# Altium PCB TCM.PcbDoc (part 4 of 10)
Units mm, origin at the board's own origin, x right, y up, seen from the top; angles counter-clockwise.
Board outline 280.25 x 366.95 mm, 6 copper layers (Top, L2, L3, L4, L5, Bot), stack 1.536 mm thick; 503 components, 762 nets, 3201 pads, 1645 vias.
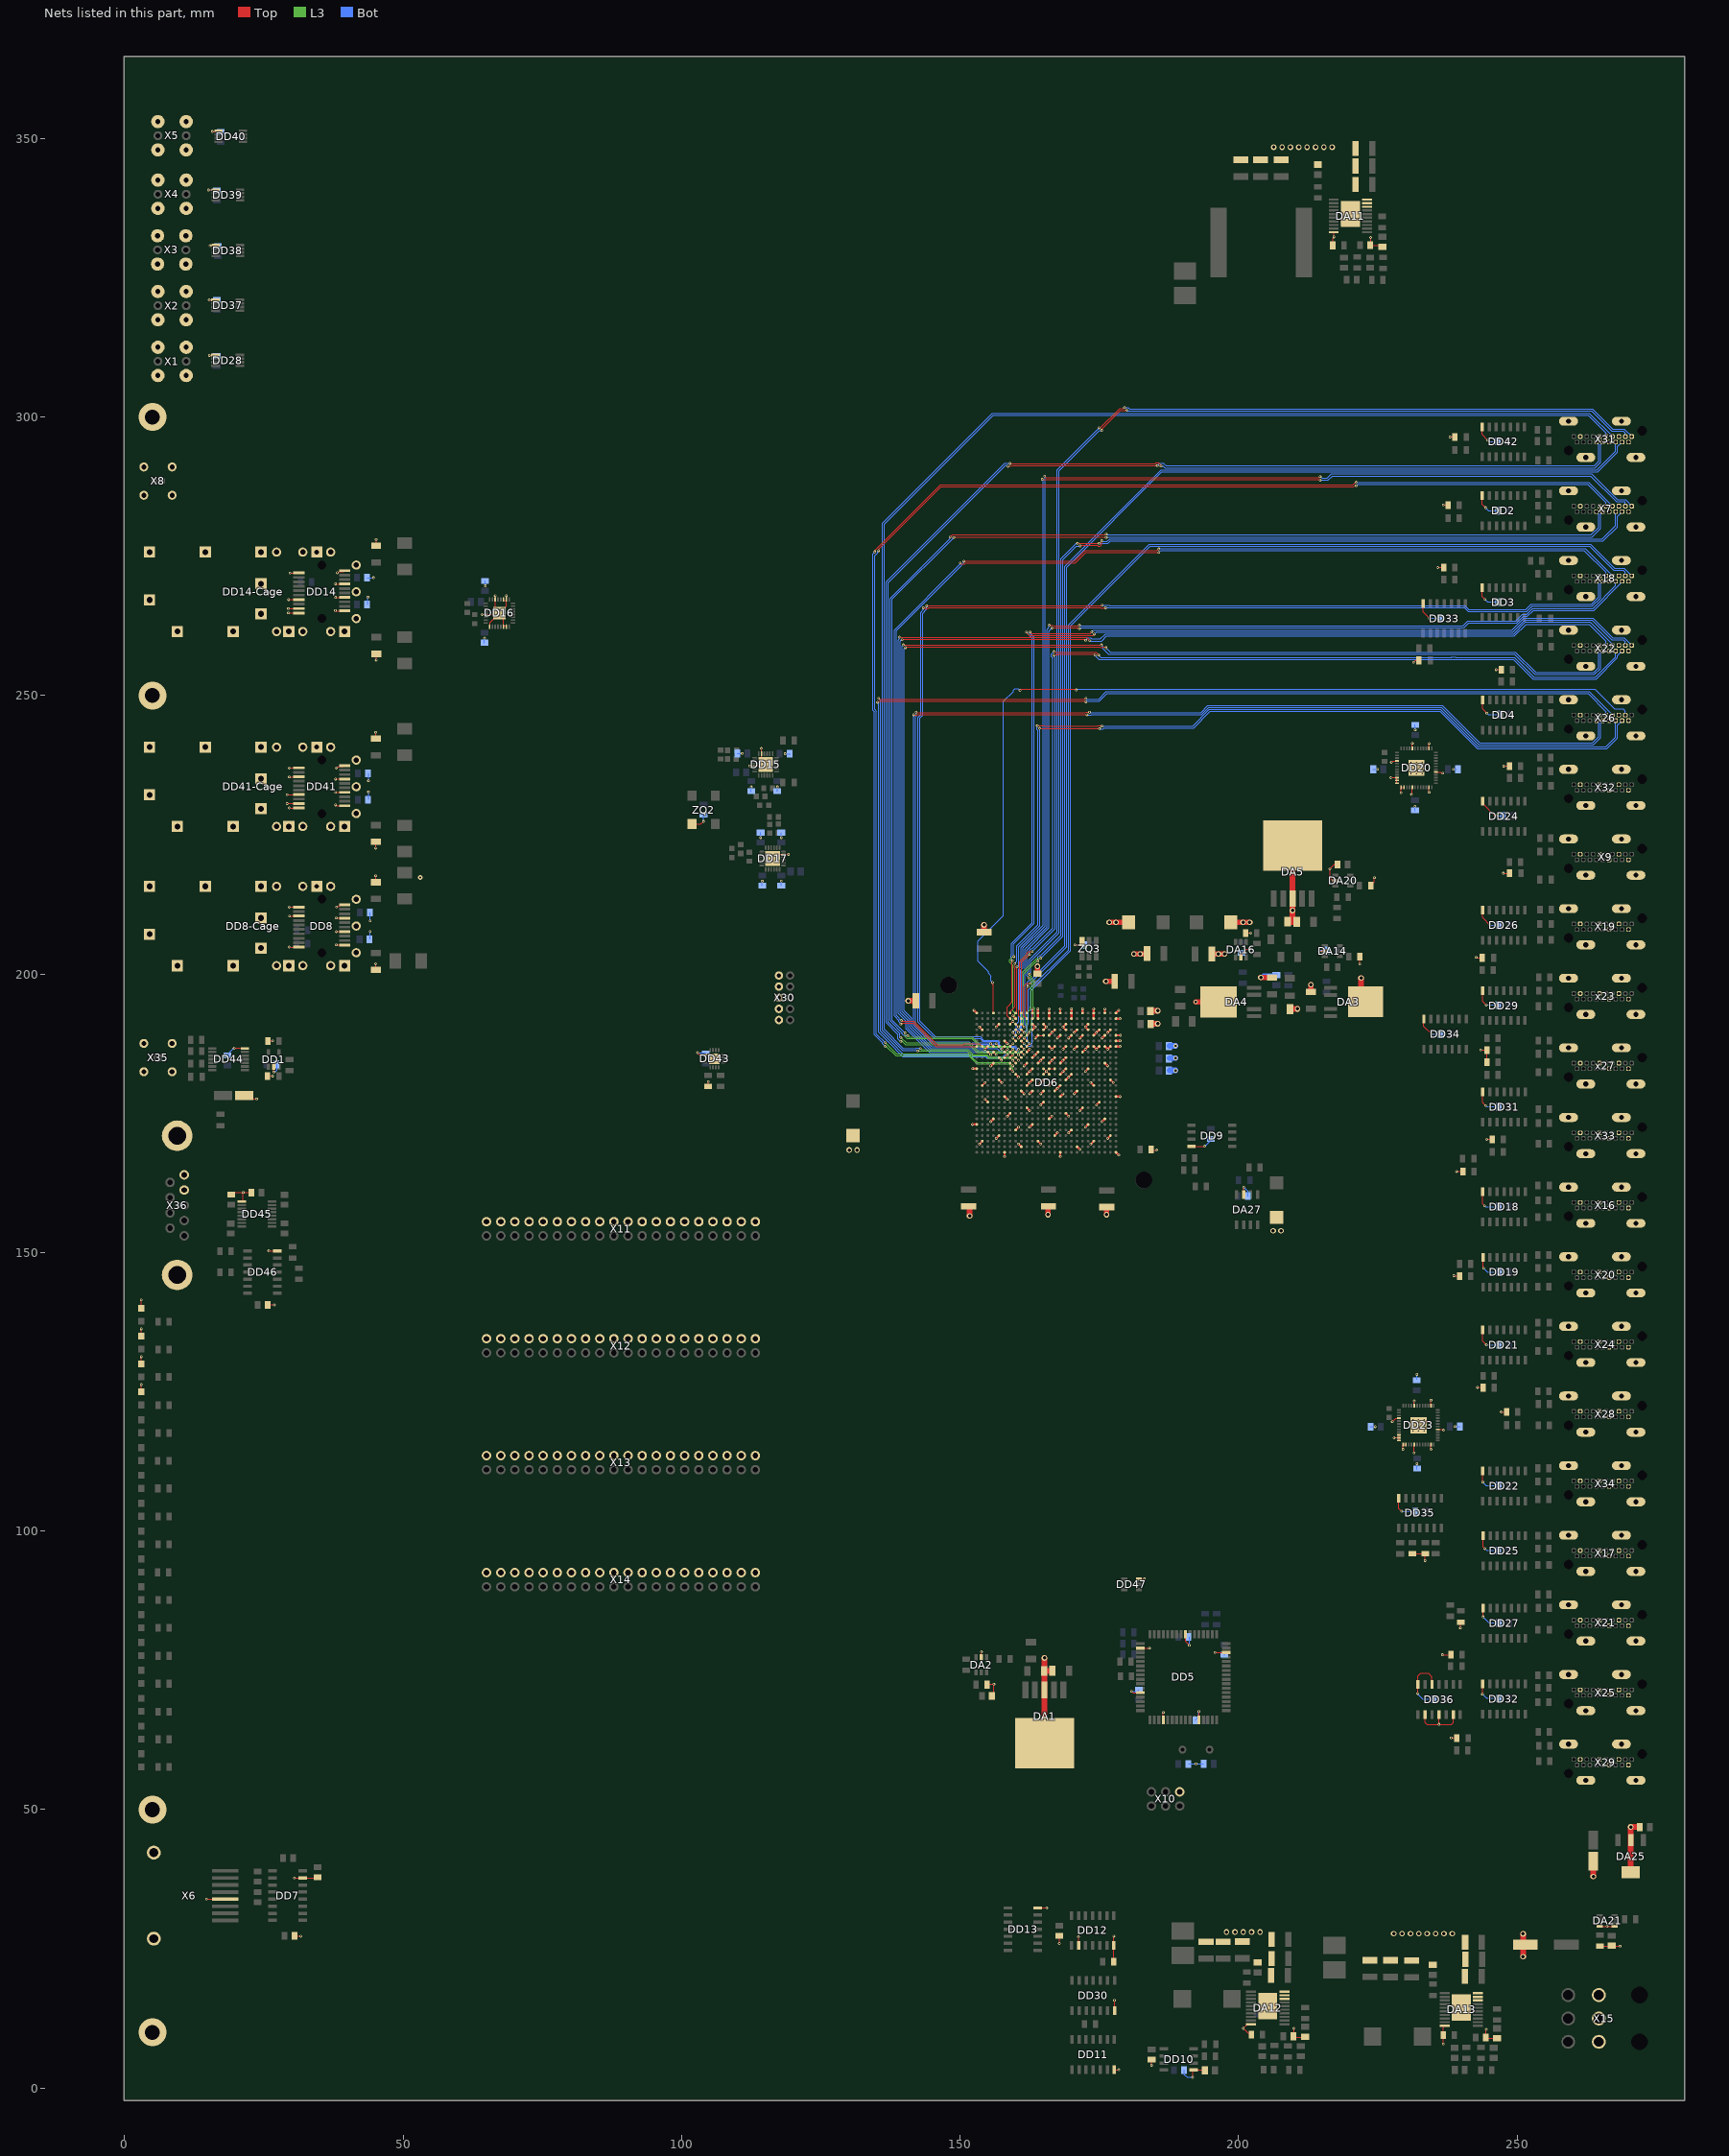
[diagram p8: the nets of this part, all layers, seen from the top]

## Via types
v1: diameter 0.48, hole 0.25, Top to Bot, tented both sides, 1515 vias
v2: diameter 1, hole 0.6, Top to Bot, tented both sides, 117 vias
v3: diameter 0.8, hole 0.4, Top to Bot, tented both sides, 8 vias
v4: diameter 5, hole 2.7, Top to Bot, tented both sides, 4 vias
v5: diameter 0.48/0/0/0/0/0.48 (per signal layer), hole 0.25, Top to Bot, tented both sides, 1 vias

## Nets (pads, with @x,y where several pads share a name; then routed paths per layer and width w, separated by ;. In a path a pad name is that pad's centre, name@x,y a point inside that pad or via, vN(x,y) a via of type N, cw(c..) or ccw(c..) an arc to the next point about the centre after c; other vN are vias at no path point) (continued)
GND: C3.1 C4.1 C5.1 C6.1 C11.1 C12.1 C13.1 C14.1 C15.1 C17.1 C18.1 C19.1 C20.1 C21.1 C22.1 C23.1 C26.1 C27.1 C28.1 C29.1 C30.1 C31.1 C32.1 C33.1 C34.1 C35.1 C36.1 C37.1 C38.1 C39.2 C40.1 C41.2 C42.2 C43.2 C44.1 C45.1 C46.1 C47.1 C50.1 C53.1 C54.1 C55.1 C58.1 C59.1 C60.1 C63.1 C65.1 C67.1 C71.1 C72.1 C73.1 C76.1 C77.1 C78.1 C80.1 C81.1 C83.1 C84.1 C85.1 C86.1 C91.1 C95.1 C97.1 C98.1 C99.1 C100.1 C101.1 C102.1 C103.1 C108.2 C112.2 C147.1 C152.1 C157.1 C158.1 C159.1 C160.1 C161.1 C162.1 C163.1 C165.1 C168.1 C169.1 C170.1 C171.1 C172.1 C173.1 C174.1 C175.1 C177.1 C180.1 C181.1 C182.1 C183.1 C184.1 C185.1 C186.1 C187.1 C189.1 C192.2 C193.1 C194.1 C195.1 C196.1 C197.1 C198.1 C199.1 C200.1 C201.1 C215.1 C216.1 C217.1 C218.1 C219.1 C220.1 C221.1 C222.1 C223.1 C224.1 C225.1 C226.1 C227.1 C228.1 C230.1 C231.1 C232.1 C238.1 C240.1 C241.1 C253.1 C254.2 C255.1 C256.1 C257.1 C258.1 C259.1 C261.1 C262.1 DA1.3 DA1.6 DA2.2 DA3.6 DA4.6 DA5.3 DA5.6 DA11.8 DA11.9 DA11.10 DA11.20 DA11.21 DA12.8 DA12.9 DA12.10 DA12.20 DA12.21 DA13.8 DA13.9 DA13.10 DA13.20 DA13.21 DA14.2 DA16.2 DA20.2 DA21.4 DA21.5 DA25.2 DA25.4 DA27.7 DD1.2 DD2.7 DD3.7 DD4.7 DD5.14 DD5.24 DD5.34 DD5.44 DD5.52 DD5.60 DD6.A1 DD6.A2 DD6.A5 DD6.A6 DD6.A7 DD6.A16 DD6.A26 DD6.AA6 DD6.AA16 DD6.AA26 DD6.AB3 DD6.AB13 DD6.AB23 DD6.AC10 DD6.AC20 DD6.AD7 DD6.AD17 DD6.AE4 DD6.AE14 DD6.AE24 DD6.AF1 DD6.AF11 DD6.AF21 DD6.B4 DD6.B7 DD6.B13 DD6.B23 DD6.C1 DD6.C5 DD6.C7 DD6.C10 DD6.C20 DD6.D4 DD6.D7 DD6.D17 DD6.E1 DD6.E2 DD6.E5 DD6.E7 DD6.E14 DD6.E24 DD6.F3 DD6.F4 DD6.F7 DD6.F11 DD6.F21 DD6.G1 DD6.G5 DD6.G8 DD6.G18 DD6.H4 DD6.H7 DD6.H15 DD6.H25 DD6.J1 DD6.J2 DD6.J5 DD6.J12 DD6.J22 DD6.K3 DD6.K4 DD6.K7 DD6.K9 DD6.K11 DD6.K13 DD6.K19 DD6.L1 DD6.L5 DD6.L10 DD6.L12 DD6.L14 DD6.L16 DD6.L26 DD6.M4 DD6.M7 DD6.M9 DD6.M11 DD6.M13 DD6.M15 DD6.M23 DD6.N1 DD6.N2 DD6.N5 DD6.N7 DD6.N10 DD6.N11 DD6.N12 DD6.N14 DD6.N20 DD6.P3 DD6.P4 DD6.P5 DD6.P9 DD6.P11 DD6.P12 DD6.P13 DD6.P15 DD6.P17 DD6.R1 DD6.R2 DD6.R5 DD6.R8 DD6.R10 DD6.R14 DD6.R24 DD6.T1 DD6.T2 DD6.T3 DD6.T4 DD6.T9 DD6.T11 DD6.T13 DD6.T15 DD6.T21 DD6.U8 DD6.U10 DD6.U12 DD6.U14 DD6.U18 DD6.V5 DD6.V15 DD6.V25 DD6.W2 DD6.W12 DD6.W22 DD6.Y9 DD6.Y19 DD7.15 DD8-Cage.1 DD8-Cage.2 DD8-Cage.3 DD8-Cage.4 DD8-Cage.5 DD8-Cage.6 DD8-Cage.7 DD8-Cage.8 DD8-Cage.9 DD8-Cage.10 DD8-Cage.11 DD8-Cage.12 DD8-Cage.13 DD8-Cage.14 DD8-Cage.15 DD8-Cage.16 DD8-Cage.17 DD8-Cage.18 DD8-Cage.19 DD8-Cage.20 DD8.1 DD8.3 DD8.10 DD8.11 DD8.14 DD8.17 DD8.20 DD9.4 DD10.1 DD11.7 DD12.2 DD12.7 DD13.7 DD14-Cage.1 DD14-Cage.2 DD14-Cage.3 DD14-Cage.4 DD14-Cage.5 DD14-Cage.6 DD14-Cage.7 DD14-Cage.8 DD14-Cage.9 DD14-Cage.10 DD14-Cage.11 DD14-Cage.12 DD14-Cage.13 DD14-Cage.14 DD14-Cage.15 DD14-Cage.16 DD14-Cage.17 DD14-Cage.18 DD14-Cage.19 DD14-Cage.20 DD14.1 DD14.7 DD14.9 DD14.10 DD14.11 DD14.14 DD14.17 DD14.20 DD15.4 DD15.23 DD15.25 DD16.2 DD16.3 DD16.6 DD16.13 DD16.17 DD16.22 DD16.23 DD16.33 DD17.23 DD17.25 DD18.7 DD19.7 DD20.4 DD20.10 DD20.11 DD20.12 DD20.13 DD20.14 DD20.17 DD20.23 DD20.29 DD20.38 DD20.44 DD20.49 DD21.7 DD22.7 DD23.4 DD23.10 DD23.11 DD23.12 DD23.13 DD23.14 DD23.17 DD23.23 DD23.29 DD23.38 DD23.44 DD23.49 DD24.7 DD25.7 DD26.7 DD27.7 DD28.5 DD29.7 DD30.7 DD31.7 DD32.7 DD33.7 DD34.7 DD35.7 DD36.5 DD36.7 DD36.9 DD36.11 DD36.13 DD37.5 DD38.5 DD39.5 DD40.5 DD41-Cage.1 DD41-Cage.2 DD41-Cage.3 DD41-Cage.4 DD41-Cage.5 DD41-Cage.6 DD41-Cage.7 DD41-Cage.8 DD41-Cage.9 DD41-Cage.10 DD41-Cage.11 DD41-Cage.12 DD41-Cage.13 DD41-Cage.14 DD41-Cage.15 DD41-Cage.16 DD41-Cage.17 DD41-Cage.18 DD41-Cage.19 DD41-Cage.20 DD41.1 DD41.3 DD41.7 DD41.9 DD41.10 DD41.11 DD41.14 DD41.17 DD41.20 DD42.7 DD43.9 DD43.17 DD44.7 DD45.9 DD46.7 DD47.3 R5.1 R6.1 R20.2 R32.1 R83.1 R91.1 R99.1 R102.1 R105.1 R108.1 R111.1 R128.1 R131.1 R136.1 R140.1 R150.1 R155.1 R157.1 R159.1 R164.1 R166.1 R168.1 R170.1 R173.1 R175.1 R177.1 R179.1 R181.1 R183.1 R185.1 R187.1 R189.1 R191.1 VD4.1 VD6.1 VD10.1 VD11.1 X1.3 X2.3 X3.3 X4.3 X5.3 X6.5 X6.SHIELD X7.2 X7.5 X7.8 X7.11 X7.17 X7.SHIELD X8.3 X9.2 X9.5 X9.8 X9.11 X9.17 X9.SHIELD X10.6 X11.2 X11.4 X11.6 X11.8 X11.10 X11.12 X11.14 X11.16 X11.18 X11.20 X11.22 X11.24 X11.26 X11.28 X11.30 X11.32 X11.34 X11.36 X11.38 X11.40 X12.2 X12.4 X12.6 X12.8 X12.10 X12.12 X12.14 X12.16 X12.18 X12.20 X12.22 X12.24 X12.26 X12.28 X12.30 X12.32 X12.34 X12.36 X12.38 X12.40 X13.2 X13.4 X13.6 X13.8 X13.10 X13.12 X13.14 X13.16 X13.18 X13.20 X13.22 X13.24 X13.26 X13.28 X13.30 X13.32 X13.34 X13.36 X13.38 X13.40 X14.2 X14.4 X14.6 X14.8 X14.10 X14.12 X14.14 X14.16 X14.18 X14.20 X14.22 X14.24 X14.26 X14.28 X14.30 X14.32 X14.34 X14.36 X14.38 X14.40 X15.1 X15.2 X15.3 X16.2 X16.5 X16.8 X16.11 X16.17 X16.SHIELD X17.2 X17.5 X17.8 X17.11 X17.17 X17.SHIELD X18.2 X18.5 X18.8 X18.11 X18.17 X18.SHIELD X19.2 X19.5 X19.8 X19.11 X19.17 X19.SHIELD X20.2 X20.5 X20.8 X20.11 X20.17 X20.SHIELD X21.2 X21.5 X21.8 X21.11 X21.17 X21.SHIELD X22.2 X22.5 X22.8 X22.11 X22.17 X22.SHIELD x23.2 x23.5 x23.8 x23.11 x23.17 x23.SHIELD X24.2 X24.5 X24.8 X24.11 X24.17 X24.SHIELD X25.2 X25.5 X25.8 X25.11 X25.17 X25.SHIELD X26.2 X26.5 X26.8 X26.11 X26.17 X26.SHIELD x27.2 x27.5 x27.8 x27.11 x27.17 x27.SHIELD X28.2 X28.5 X28.8 X28.11 X28.17 X28.SHIELD X29.2 X29.5 X29.8 X29.11 X29.17 X29.SHIELD X30.1 X30.3 X30.5 X30.7 X30.9 X31.2 X31.5 X31.8 X31.11 X31.17 X31.SHIELD X32.2 X32.5 X32.8 X32.11 X32.17 X32.SHIELD X33.2 X33.5 X33.8 X33.11 X33.17 X33.SHIELD X34.2 X34.5 X34.8 X34.11 X34.17 X34.SHIELD X35.2 X36.4 X36.5 X36.10 X36.11 ZQ2.2 ZQ3.3 | length 591.1
  Top w0.15: VD10.1@3,125 VD10.1@3,125.006 v1(3,126.3) ; VD11.1@3,130 v1(3,131.3) ; VD4.1@3,135 v1(3,136.3) ; VD6.1@3,140 v1(3,141.5) ; v1(14.706,33.91) X6.5@17.7,33.91 ; v1(15.054,340.767) 15.067,340.78 DD39.5@16.55,340.78 ; v1(15.193,321.018) 15.209,321.002 DD37.5@16.541,321.002 ; v1(15.244,311.058) 16.488,311.058 DD28.5@16.5,311.07 ; v1(15.361,330.761) DD38.5@16.545,330.761 ; v1(15.761,351.267) 15.767,351.261 DD40.5@17.081,351.261 ; C26.1@19.1,160.505 19.395,160.8 v1(21.3,160.8) ; v1(19.7,186.7) 21.35,186.7 DD44.7@21.4,186.65 ; DD45.9@21.3,159.14 v1(21.3,160.8) ; C43.2@21.5,178.225 22.125,177.6 v1(23.7,177.6) ; C27.1@22.7,160.8 v1(21.3,160.8) ; R6.1@25.7,181.7 v1(26.6,181.7) ; R5.1@25.7,188 v1(26.6,188) ; C28.1@25.8,140.6 v1(26.9,140.6) ; v1(25.9,150.31) DD46.7@27.5,150.31 ; DD1.2@26.75,183.7 26.8,183.65 v1(26.8,182.4) ; v1(29.2,230.6) 29.22,230.62 DD41.9@31.3,230.62 ; v1(29.2,232.2) 29.22,232.22 DD41.7@31.3,232.22 ; v1(29.427,265.624) 29.431,265.62 DD14.9@31.3,265.62 ; v1(29.431,264.83) 29.441,264.82 DD14.10@31.3,264.82 ; v1(29.44,267.225) 29.445,267.22 DD14.7@31.3,267.22 ; v1(29.6,229.83) 29.61,229.82 DD41.10@31.3,229.82 ; v1(29.6,235.4) 29.62,235.42 DD41.3@31.3,235.42 ; v1(29.6,237) 29.62,237.02 DD41.1@31.3,237.02 ; v1(29.7,272) 29.72,272.02 DD14.1@31.3,272.02 ; v1(30.489,37.725) DD7.15@32.027,37.725 ; C54.1@30.668,27.263 30.67,27.265 v1(31.645,27.265) ; DD7.15@32.026,37.726 DD7.15@32.027,37.725 ; C261.1@34.904,37.963 C261.1@34.659,37.718 ; v1(37.853,265.257) 37.89,265.22 DD14.11@39.5,265.22 ; v1(37.879,267.62) DD14.14@39.5,267.62 ; v1(37.879,270.07) 37.929,270.02 DD14.17@39.5,270.02 ; v1(37.9,230.35) 37.989,230.35 38.119,230.22 DD41.11@39.5,230.22 ; v1(37.9,232.62) DD41.14@39.5,232.62 ; v1(37.9,235) 37.92,235.02 DD41.17@39.5,235.02 ; v1(38.006,236.999) 38.062,236.999 38.288,237.225 38.487,237.225 38.507,237.245 39.325,237.245 DD41.20@39.5,237.42 ; v1(38.194,272.048) 38.257,272.111 38.441,272.111 38.575,272.245 39.325,272.245 DD14.20@39.5,272.42 ; v1(45.1,222.6) C60.1@45.1,223.7 ; C58.1@45.1,242.3 v1(45.1,243.4) ; v1(45.174,278.03) 45.174,277.126 45.285,277.015 C4.1@45.4,276.9 ; v1(45.19,256.37) 45.197,256.377 C46.1@45.197,257.492 ; v1(64.183,264.548) 65.008,264.548 65.01,264.55 DD16.33@67.05,264.55 ; DD16.17@65.55,262.51 65.585,262.545 65.585,263.085 DD16.33@67.05,264.55 ; v1(66.546,267.922) 66.55,267.918 DD16.6@66.55,267.25 66.55,265.55 DD16.33@67.3,264.8 ; DD16.3@68.05,267.09 DD16.2@68.55,267.09 ; DD16.23@68.55,262.51 68.05,262.51 68.05,264.05 DD16.33@67.3,264.8 ; v1(68.55,267.922) DD16.2@68.55,267.09 ; ZQ2.2@101.9,226.92 103.473,226.92 v1(103.953,227.4) ; R32.1@104.8,179.8 v1(104.8,180.7) ; v1(112.207,237.35) 114.857,237.35 DD15.25@115.107,237.6 114.357,238.35 v1(114.357,240.5) ; DD17.25@116.357,220.727 117.107,221.477 v1(119.2,221.477) ; DA2.2@153.85,77.113 v1(153.85,78.3) ; R140.1@154.9,72.5 v1(156.1,72.5) 156.1,70.65 C15.1@155.85,70.4 ; DD6.T2@163,192 DD6.T1@163,193 ; DD6.R5@164,189 DD6.P5@165,189 ; DD13.7@164.026,32.336 165.547,32.336 v1(165.557,32.326) ; DD6.P12@165,182 v1(165.5,182.5) ; DD6.P11@165,183 v1(165.5,182.5) ; DD6.N12@166,182 v1(165.5,182.5) ; DD6.M11@167,183 DD6.N11@166,183 v1(165.5,182.5) ; C253.1@167.829,27.262 167.832,27.259 v1(167.832,25.958) ; v1(171.264,27.152) 171.271,27.145 DD12.2@171.271,25.585 ; v1(177.621,27.262) 177.621,22.702 R150.1@177.625,22.698 ; DD11.7@177.706,3.3 v1(178.5,3.3) ; v1(177.723,15.744) 177.734,15.734 DD30.7@177.734,13.87 ; v1(180.793,71.236) 181.047,70.982 DD5.44@182.586,70.982 ; DD47.3@181.9,91.4 v1(183.1,91.4) ; DD5.34@182.586,78.982 v1(183.994,78.982) ; R20.2@184.3,168.5 184.4,168.4 v1(185.3,168.4) ; v1(184.4,4.1) C195.1@184.4,5.1 ; DD5.52@186.486,66.282 186.486,67.409 v1(186.499,67.421) ; DD5.24@190.486,81.282 190.486,80.179 v1(191.165,79.5) ; v1(192.883,67.599) 192.886,67.595 DD5.60@192.886,66.282 ; v1(195.771,78.197) 195.771,78.182 DD5.14@197.586,78.182 ; DA16.2@200.408,203.28 200.408,203.377 201.531,204.5 v1(202,204.5) ; R105.1@201.3,207.357 v1(202.2,207.357) ; v1(214.5,204.1) 214.507,204.107 DA14.2@215.708,204.107 ; DA20.2@217.622,216.786 216.914,216.786 216.4,217.3 v1(216.4,218.9) 217.219,219.719 C13.1@217.7,219.719 ; R102.1@221.758,203.157 221.783,203.133 221.787,203.129 v1(221.787,201.8) ; R108.1@223.722,215.879 224.4,216.557 v1(224.4,217.3) ; v1(227.358,235.251) 227.361,235.254 DD20.10@228.451,235.254 ; v1(227.446,238.017) 227.683,238.254 DD20.4@228.453,238.254 ; v1(227.605,119.613) 227.594,119.624 228.222,120.253 DD23.4@228.805,120.253 ; v1(227.919,116.75) 227.922,116.753 DD23.11@228.805,116.753 ; DD20.12@228.453,234.254 228.453,234.774 228.453,235.252 DD20.10@228.451,235.254 ; DD20.10@228.453,235.254 DD20.10@228.451,235.254 ; DD35.7@228.78,105.973 228.78,104.075 v1(229.298,103.557) ; DD23.12@228.805,116.253 DD23.11@228.805,116.753 ; DD23.10@228.805,117.253 DD23.11@228.805,116.753 ; v1(229.203,232.551) 229.203,233.504 DD20.14@229.703,233.504 ; v1(229.539,114.652) 229.555,114.668 229.555,115.503 DD23.14@230.055,115.503 ; v1(231.045,232.233) 231.203,232.39 DD20.17@231.203,233.504 ; R183.1@231.2,95.9 233.5,95.9 v1(233.5,94.7) ; v1(231.201,241.404) 231.203,241.402 DD20.44@231.203,240.504 ; v1(231.435,255.958) 231.435,256.036 231.741,256.343 R155.1@232.392,256.343 ; v1(231.509,114.035) 231.509,115.457 DD23.17@231.555,115.503 ; DD23.44@231.555,122.503 231.555,123.363 v1(231.557,123.365) ; v1(232.17,70.853) 232.17,73.977 232.697,74.504 234.063,74.504 234.74,73.827 DD36.5@234.74,72.552 ; DD33.7@233.137,266.605 233.137,264.979 v1(234.259,263.857) ; DD34.7@233.279,191.998 233.279,190.594 v1(234.659,189.214) ; DD36.9@233.47,67.052 233.47,65.646 233.806,65.31 v1(236.01,65.31) 238.214,65.31 238.55,65.647 DD36.13@238.55,67.052 ; v1(234.203,232.639) DD20.23@234.203,233.504 ; DD20.38@234.203,240.504 v1(234.203,241.391) ; DD23.23@234.555,115.503 234.555,114.659 v1(234.562,114.652) ; DD23.38@234.555,122.503 234.555,123.494 v1(234.562,123.501) ; DD20.29@235.453,236.254 236.27,236.254 236.442,236.082 v1(236.666,236.082) ; v1(235.77,272.982) R136.1@236.836,272.982 ; DD23.29@235.805,118.253 236.773,118.253 236.831,118.195 v1(236.831,118.108) ; v1(236.01,65.31) DD36.11@236.01,67.052 ; v1(236.6,77.8) R189.1@238.1,77.8 ; v1(236.756,284.208) 236.777,284.187 R131.1@237.622,284.187 ; v1(237.972,296.407) R128.1@238.865,296.407 ; v1(238.186,62.851) 238.201,62.836 R191.1@239.195,62.836 ; v1(238.676,145.848) 238.705,145.819 R177.1@239.704,145.819 ; v1(239.112,164.553) R175.1@240.248,164.553 ; v1(239.836,82.597) R187.1@239.836,83.65 ; v1(242.649,202.992) 242.694,202.947 R166.1@243.763,202.947 ; v1(242.893,125.793) R179.1@243.918,125.793 ; v1(243.491,186.373) 244.59,186.373 244.584,186.367 R170.1@244.584,184.225 ; DD3.7@243.73,269.471 243.73,267.783 v1(244.263,267.251) ; DD42.7@243.732,298.297 243.732,296.841 244.725,295.849 v1(244.728,295.849) ; DD4.7@243.739,249.262 DD4.7@243.739,249.294 ; DD2.7@243.749,285.969 243.749,284.325 v1(244.341,283.733) ; v1(243.798,70.718) 243.798,72.545 243.814,72.561 DD32.7@243.844,72.592 ; DD26.7@243.806,211.528 243.806,210.135 v1(245.134,208.807) ; DD24.7@243.814,231.102 243.814,230.64 246.024,228.431 v1(246.337,228.431) ; DD29.7@243.817,197.076 243.817,195.093 244.46,194.449 v1(244.474,194.449) ; DD4.7@243.822,249.262 243.822,247.612 v1(244.581,246.853) ; DD21.7@243.851,136.196 243.851,134.057 v1(244.484,133.424) ; DD31.7@243.855,178.9 243.855,176.908 v1(244.364,176.398) ; v1(243.864,108.778) DD22.7@243.864,110.851 ; DD18.7@243.868,160.938 243.868,158.696 v1(244.168,158.396) ; DD19.7@243.88,149.233 243.88,147.335 v1(244.015,147.2) ; DD27.7@243.896,86.2 243.896,84.614 v1(243.905,84.605) ; DD25.7@243.896,99.213 243.896,97.174 v1(244.207,96.863) ; v1(244.548,170.322) 244.563,170.337 R173.1@245.538,170.337 ; v1(246.23,254.655) R157.1@247.152,254.655 ; v1(247.167,121.381) 247.185,121.364 R181.1@248.14,121.364 ; v1(247.543,218.092) 247.56,218.109 R164.1@248.691,218.109 ; v1(247.632,237.327) R159.1@248.612,237.327 ; DD7.15@32.027,37.725 34.652,37.725 C261.1@34.659,37.718 ; DD7.15@32.027,37.725 32.034,37.718 C261.1@34.659,37.718 ; DD16.33@67.05,264.55 DD16.33@67.3,264.8 ; DD16.33@67.3,264.8 68.55,266.05 DD16.2@68.55,267.09
  Top w0.2: v1(29.6,204.85) 29.63,204.82 DD8.10@31.3,204.82 ; v1(29.6,212.02) DD8.1@31.3,212.02 ; v1(29.63,210.42) DD8.3@31.3,210.42 ; v1(38,205.25) 38.03,205.22 DD8.11@39.5,205.22 ; v1(38,207.62) DD8.14@39.5,207.62 ; v1(38,210.05) 38.03,210.02 DD8.17@39.5,210.02 ; v1(38.075,212.025) 38.151,212.025 38.256,212.13 38.46,212.13 38.75,212.42 DD8.20@39.5,212.42 ; C76.1@45.1,200.75 v1(45.1,201.85) ; C72.1@45.1,216.52 v1(45.1,217.64) ; v1(170.63,205.25) 171.524,205.25 171.899,205.625 ZQ3.3@171.899,205.816 ; v1(191.774,1.929) 191.774,3.219 193.864,3.219 C12.1@193.874,3.229 ; DD9.4@192,169.09 v1(193.9,169.09) ; DA27.7@200.9,160.191 200.935,160.227 v1(200.935,161.744) ; R91.1@202.273,9.614 201.953,9.614 v1(200.853,10.714) 201.603,11.464 DA12.20@202.273,11.464 ; v1(209.953,10.714) 209.953,9.314 210.153,9.114 C175.1@211.953,9.114 ; R83.1@216.919,330.833 216.919,332.133 v1(217.119,332.333) DA11.20@217.119,333.183 ; v1(223.719,332.233) 223.719,330.833 225.419,330.833 225.744,330.508 C163.1@225.819,330.433 ; v1(236.774,7.927) 236.774,9.527 236.774,10.917 DA13.20@237.034,11.177 ; v1(244.474,10.527) 244.474,9.127 244.674,8.927 246.274,8.927 C187.1@246.419,8.783 ; R111.1@264.9,25.5 v1(268.5,25.5) ; DA21.4@264.95,29.05 v1(266.175,29.05) DA21.5@267.4,29.05
  Top w0.25: v1(102.9,185.9) 103.25,185.55 DD43.9@104.35,185.55 105.15,185.55 DD43.17@105.9,184.8
  Top w0.4: v1(152.25,173) DD6.AF21@153,173 ; v1(152.3,183) DD6.AF11@153,183 ; v1(152.5,193.5) DD6.AF1@153,193 ; v1(153.5,169.5) DD6.AE24@154,170 ; v1(153.5,190.5) DD6.AE4@154,190 ; DD6.AE14@154,180 v1(154.5,180.5) ; v1(154.5,177.5) DD6.AD17@155,177 ; v1(154.5,186.5) DD6.AD7@155,187 ; v1(155.5,173.5) DD6.AC20@156,174 ; v1(155.5,183.5) DD6.AC10@156,184 ; v1(156.5,170.5) DD6.AB23@157,171 ; v1(156.5,190.5) DD6.AB3@157,191 ; DD6.AB13@157,181 v1(157.5,180.5) ; v1(158,167.25) DD6.AA26@158,168 ; DD6.AA16@158,178 v1(158.5,177.5) ; DD6.AA6@158,188 v1(158.5,187.5) ; v1(158.5,174.5) DD6.Y19@159,175 ; DD6.Y9@159,185 v1@159.525,185.525 ; v1(159.5,192.5) DD6.W2@160,192 ; DD6.W22@160,172 v1@160.5,172.5 ; DD6.W12@160.019,182 160.019,181.982 v1(160.5,181.5) ; v1(160.494,169.5) DD6.V25@161,169 ; v1(160.5,188.5) DD6.V5@161,189 ; DD6.V15@161,179 v1(161.5,178.5) ; v1(161.5,183.5) DD6.U10@162,184 ; DD6.U18@162,176 v1(162.5,175.5) ; DD6.U14@162,180 v1(162.5,180.5) DD6.T13@163,181 ; DD6.U12@162,182 v1(162.5,182.5) DD6.T11@163,183 ; DD6.U8@162,186 v1(162.5,186.5) ; v1(162.5,172.5) DD6.T21@163,173 ; v1(162.5,178.5) DD6.T15@163,179 ; DD6.T9@163,185 v1(163.5,185.5) DD6.R8@164,186 ; DD6.T4@163,190 v1(163.5,190.5) ; DD6.T3@163,191 v1(163.5,190.5) ; DD6.T1@163,193 v1(163,193.75) ; v1(163.5,188.5) DD6.R5@164,189 ; DD6.R24@164,170 v1(164.5,169.5) ; DD6.R14@164,180 v1(164.5,180.5) DD6.P13@165,181 ; DD6.R10@164,184 v1(164.5,184.5) DD6.P9@165,185 ; DD6.R2@164,192 DD6.R1@164,193 v1(164,193.75) ; v1(164.5,176.5) DD6.P17@165,177 ; v1(164.5,178.5) DD6.P15@165,179 ; DD6.P4@165,190 v1(165.5,190.5) DD6.P3@165,191 ; DD6.N20@166,174 v1(166.5,174.5) ; DD6.N14@166,180 v1(166.5,180.5) DD6.M13@167,181 ; DD6.N10@166,184 v1(166.5,184.5) DD6.M9@167,185 ; DD6.N7@166,187 v1(166.5,186.5) DD6.M7@167,187 ; DD6.N5@166,189 v1(166.5,189.5) DD6.M4@167,190 ; DD6.N2@166,192 DD6.N1@166,193 v1(166,193.75) ; DD6.M23@167,171 v1(167.5,171.5) ; DD6.M15@167,179 v1(167.5,179.5) DD6.L14@168,180 ; v1(167.5,188.5) DD6.L5@168,189 ; v1(168,167.25) DD6.L26@168,168 ; DD6.L16@168,178 v1(168.5,178.5) ; DD6.L12@168,182 v1(168.5,182.5) DD6.K11@169,183 ; DD6.L10@168,184 v1(168.5,184.5) DD6.K9@169,185 ; DD6.L1@168,193 v1(168,193.75) ; v1(168.5,186.5) DD6.K7@169,187 ; DD6.K19@169,175 v1(169.5,174.5) ; DD6.K13@169,181 v1(169.5,181.5) DD6.J12@170,182 ; DD6.K4@169,190 v1(168.5,190.5) DD6.K3@169,191 ; v1(169.5,171.5) DD6.J22@170,172 ; v1(169.5,188.5) DD6.J5@170,189 ; DD6.J2@170,192 v1(170,193.75) ; v1(170.5,178.5) DD6.H15@171,179 ; v1(170.5,186.5) DD6.H7@171,187 ; v1(170.5,189.5) DD6.H4@171,190 ; DD6.H25@171,169 v1(171.5,168.5) ; v1(171.5,175.5) DD6.G18@172,176 ; v1(171.5,188.5) DD6.G5@172,189 ; DD6.G8@172,186 v1(172.5,186.5) DD6.F7@173,187 ; DD6.G1@172,193 v1(172,193.75) ; v1(172.5,172.5) DD6.F21@173,173 ; v1(172.5,182.5) DD6.F11@173,183 ; DD6.F4@173,190 v1(172.5,190.5) DD6.F3@173,191 ; v1(173.5,169.5) DD6.E24@174,170 ; v1(173.5,180.5) DD6.E14@174,180 ; DD6.E7@174,187 v1(174.5,186.5) DD6.D7@175,187 ; DD6.E5@174,189 v1(174.5,189.5) DD6.D4@175,190 ; DD6.E2@174,192 DD6.E1@174,193 v1(174,193.75) ; v1@174.5,176.5 DD6.D17@175,177 ; v1(175.5,173.5) DD6.C20@176,174 ; v1(175.5,188.5) DD6.C5@176,189 ; DD6.C10@176,184 v1(176.5,183.5) ; DD6.C7@176,187 v1(176.5,186.5) DD6.B7@177,187 ; DD6.C1@176,193 v1(176,193.75) ; v1(176.5,170.5) DD6.B23@177,171 ; v1(176.5,189.5) DD6.B4@177,190 ; DD6.B13@177,181 v1(177.5,180.5) ; DD6.A26@178,168 v1(178.5,167.5) ; DD6.A16@178,178 v1(178.75,178) ; DD6.A7@178,187 v1(178.75,187) ; DD6.A6@178,188 v1(178.75,188) ; DD6.A5@178,189 v1(178.8,189) ; DD6.A2@178,192 v1(178.75,192) ; DD6.A1@178,193 v1(178.5,193.5)
  Top w1: v2(140.7,195.2) C103.1@141.9,195.2 ; v2(151.717,156.576) C102.1@151.717,158.076 ; C3.1@154.319,207.55 v2(154.319,208.815) ; C86.1@163.9,200.2 v2(163.9,201.4) ; DA1.6@164.813,61.355 165.159,61.702 165.159,71.479 C6.1@165.159,74.9 ; v2(165.159,77.224) C6.1@165.159,74.9 ; v2(165.8,156.8) C147.1@165.8,158.1 ; C5.1@166.649,74.9 C6.1@165.159,74.9 ; v2(176.2,198.7) C23.1@177.7,198.7 ; v2(176.3,156.8) C197.1@176.3,158.1 ; v2(176.8,209.3) v2(178,209.3) C108.2@180.16,209.3 ; v2(181.2,203.6) v2(182.353,203.6) C100.1@183.6,203.6 ; C78.1@184.3,191.072 v2(185.492,191.072) ; C84.1@184.3,193.4 v2(185.5,193.4) ; v3(192.311,195) DA4.6@196.5,195 ; C101.1@195.2,203.6 v2(196.4,203.6) v2(197.5,203.6) ; C112.2@198.64,209.3 v2(200.818,209.3) v2(202,209.3) ; v2(204.02,199.37) C81.1@206,199.37 ; C91.1@208.885,209.311 C85.1@210.485,209.311 ; C83.1@209.3,193.75 v2(210.6,193.75) ; 209.685,209.411 v2(209.685,211.411) DA5.6@209.685,223.314 ; C80.1@213,196.85 v2(213,198.1) ; v2(222,199.3) 222,195.7 DA3.6@222.7,195 ; v2(251.1,23.6) v2(251.1,27.7) ; v2(263.709,37.97) C254.2@263.709,40.47 ; DA25.4@270.409,38.47 DA25.4@270.409,38.72 DA25.2@270.409,44.52 v2(270.409,46.87) C200.1@271.909,46.87
  L3 w0.15: v1@231.045,232.158 v1(231.045,232.233) ; v1(245.134,208.807) v1@245.181,208.76
  Bot w0.15: v1(15.054,340.767) C215.1@16.599,340.767 ; v1(15.193,321.018) 15.241,321.066 C193.1@16.6,321.066 ; v1(15.244,311.058) 15.244,311.066 C226.1@16.6,311.066 ; v1(15.361,330.761) 16.777,330.761 C262.1@16.8,330.784 ; v1(15.761,351.267) 17.281,351.267 17.29,351.276 C55.1@17.3,351.286 ; C42.2@18.5,185.6 19.6,186.7 v1(19.7,186.7) ; v1(26.8,182.4) 27,182.4 27.4,182.8 C232.1@27.4,183.8 ; C44.1@43.586,271.147 v1(44.689,271.147) ; C47.1@43.655,266.304 43.7,266.348 v1(43.7,267.7) ; C63.1@43.8,231.3 v1(43.8,232.7) ; v1(43.8,234.7) C59.1@43.8,236 ; C36.1@64.632,259.4 C36.1@64.632,259.5 v1(64.632,260.3) ; v1(64.75,269.7) C30.1@64.75,270.6 C30.1@64.75,270.62 ; v1(102.9,185.9) 104.31,185.9 C22.1@104.4,185.81 ; v1(103.953,227.4) C238.1@103.953,228.475 ; C32.1@110.007,239.6 C32.1@110.05,239.6 v1(110.907,239.6) ; C31.1@112.507,232.7 C31.1@112.507,232.85 v1(112.507,233.6) ; v1(114.2,224.5) C34.1@114.2,225.4 ; C33.1@114.5,215.793 C33.1@114.5,215.9 v1(114.5,216.7) ; C38.1@117.207,232.7 C38.1@117.207,232.85 v1(117.207,233.6) ; C40.1@117.9,215.793 C40.1@117.9,215.9 v1(117.9,216.7) ; v1(117.9,224.5) C35.1@117.9,225.4 ; v1(118.607,239.55) C37.1@119.4,239.55 C37.1@119.507,239.55 ; v1(170.63,205.25) 172.189,205.25 C199.1@172.196,205.257 ; v1(180.793,71.236) 181.803,71.236 182.076,71.509 C256.1@182.127,71.56 ; C50.1@191.063,58.208 v1(192.363,58.208) C65.1@193.663,58.208 ; C259.1@191.094,81.025 191.165,80.954 v1(191.165,79.5) ; C257.1@192.196,66.055 192.883,66.742 v1(192.883,67.599) ; v1@195.892,78.197 197.463,78.197 C258.1@197.463,77.666 ; C14.1@200.408,203.68 201.228,204.5 v1(202,204.5) ; v1(200.935,161.744) 201.7,160.979 C255.1@201.7,160.091 ; v1(214.5,204.1) 214.657,204.257 C11.1@215.758,204.257 ; C219.1@223.62,118.756 224.523,118.756 v1(224.536,118.743) ; C217.1@224.108,236.755 224.956,236.755 v1(224.959,236.758) ; v1(229.298,103.557) 229.355,103.5 C17.1@231.6,103.5 ; v1(231.686,230.141) 231.696,230.13 C221.1@231.696,229.265 ; C222.1@231.712,244.786 C222.1@231.712,244.7 231.712,243.83 v1(231.717,243.825) ; v1(232.04,128.119) 232.047,128.112 C223.1@232.047,127.164 ; C218.1@232.048,111.133 C218.1@232.048,111.22 v1(232.048,112.104) ; v1(232.17,70.853) 232.17,70.718 233.05,69.838 C45.1@235.006,69.838 ; v1(234.259,263.857) 234.261,263.855 C196.1@236.067,263.855 ; v1(234.659,189.214) 236.251,189.214 C228.1@236.275,189.237 ; v1(238.594,236.762) C220.1@239.22,236.762 ; v1(238.864,118.76) 239.625,118.76 239.71,118.846 C224.1@239.814,118.741 ; v1(243.798,70.718) 244.546,69.97 C19.1@246.676,69.97 ; v1(243.864,108.778) 244.464,108.179 C53.1@246.553,108.179 ; v1(243.905,84.605) 244.99,83.519 C20.1@246.664,83.519 ; v1(244.015,147.2) 244.681,146.534 C67.1@246.756,146.534 ; v1(244.168,158.396) 244.339,158.225 C240.1@246.623,158.225 ; v1(244.207,96.863) 244.57,96.5 C198.1@246.553,96.5 ; v1(244.263,267.251) 244.733,266.781 C231.1@246.447,266.781 ; v1(244.341,283.733) 244.874,283.2 C225.1@246.464,283.2 ; v1(244.364,176.398) 244.589,176.173 C216.1@246.648,176.173 ; v1(244.474,194.449) 246.398,194.449 C241.1@246.426,194.478 ; v1(244.484,133.424) 244.522,133.386 C18.1@246.667,133.386 ; v1(244.581,246.853) 244.825,246.61 245.633,246.61 245.635,246.608 C29.1@246.892,246.608 ; v1(244.728,295.849) 244.947,295.629 C21.1@246.416,295.629 ; v1(245.134,208.807) 245.162,208.779 C230.1@246.704,208.779 ; v1(246.337,228.431) 246.347,228.42 C227.1@247.189,228.42